# Altium PCB FPGA核心板.PcbDoc (part 1 of 3) (continued)
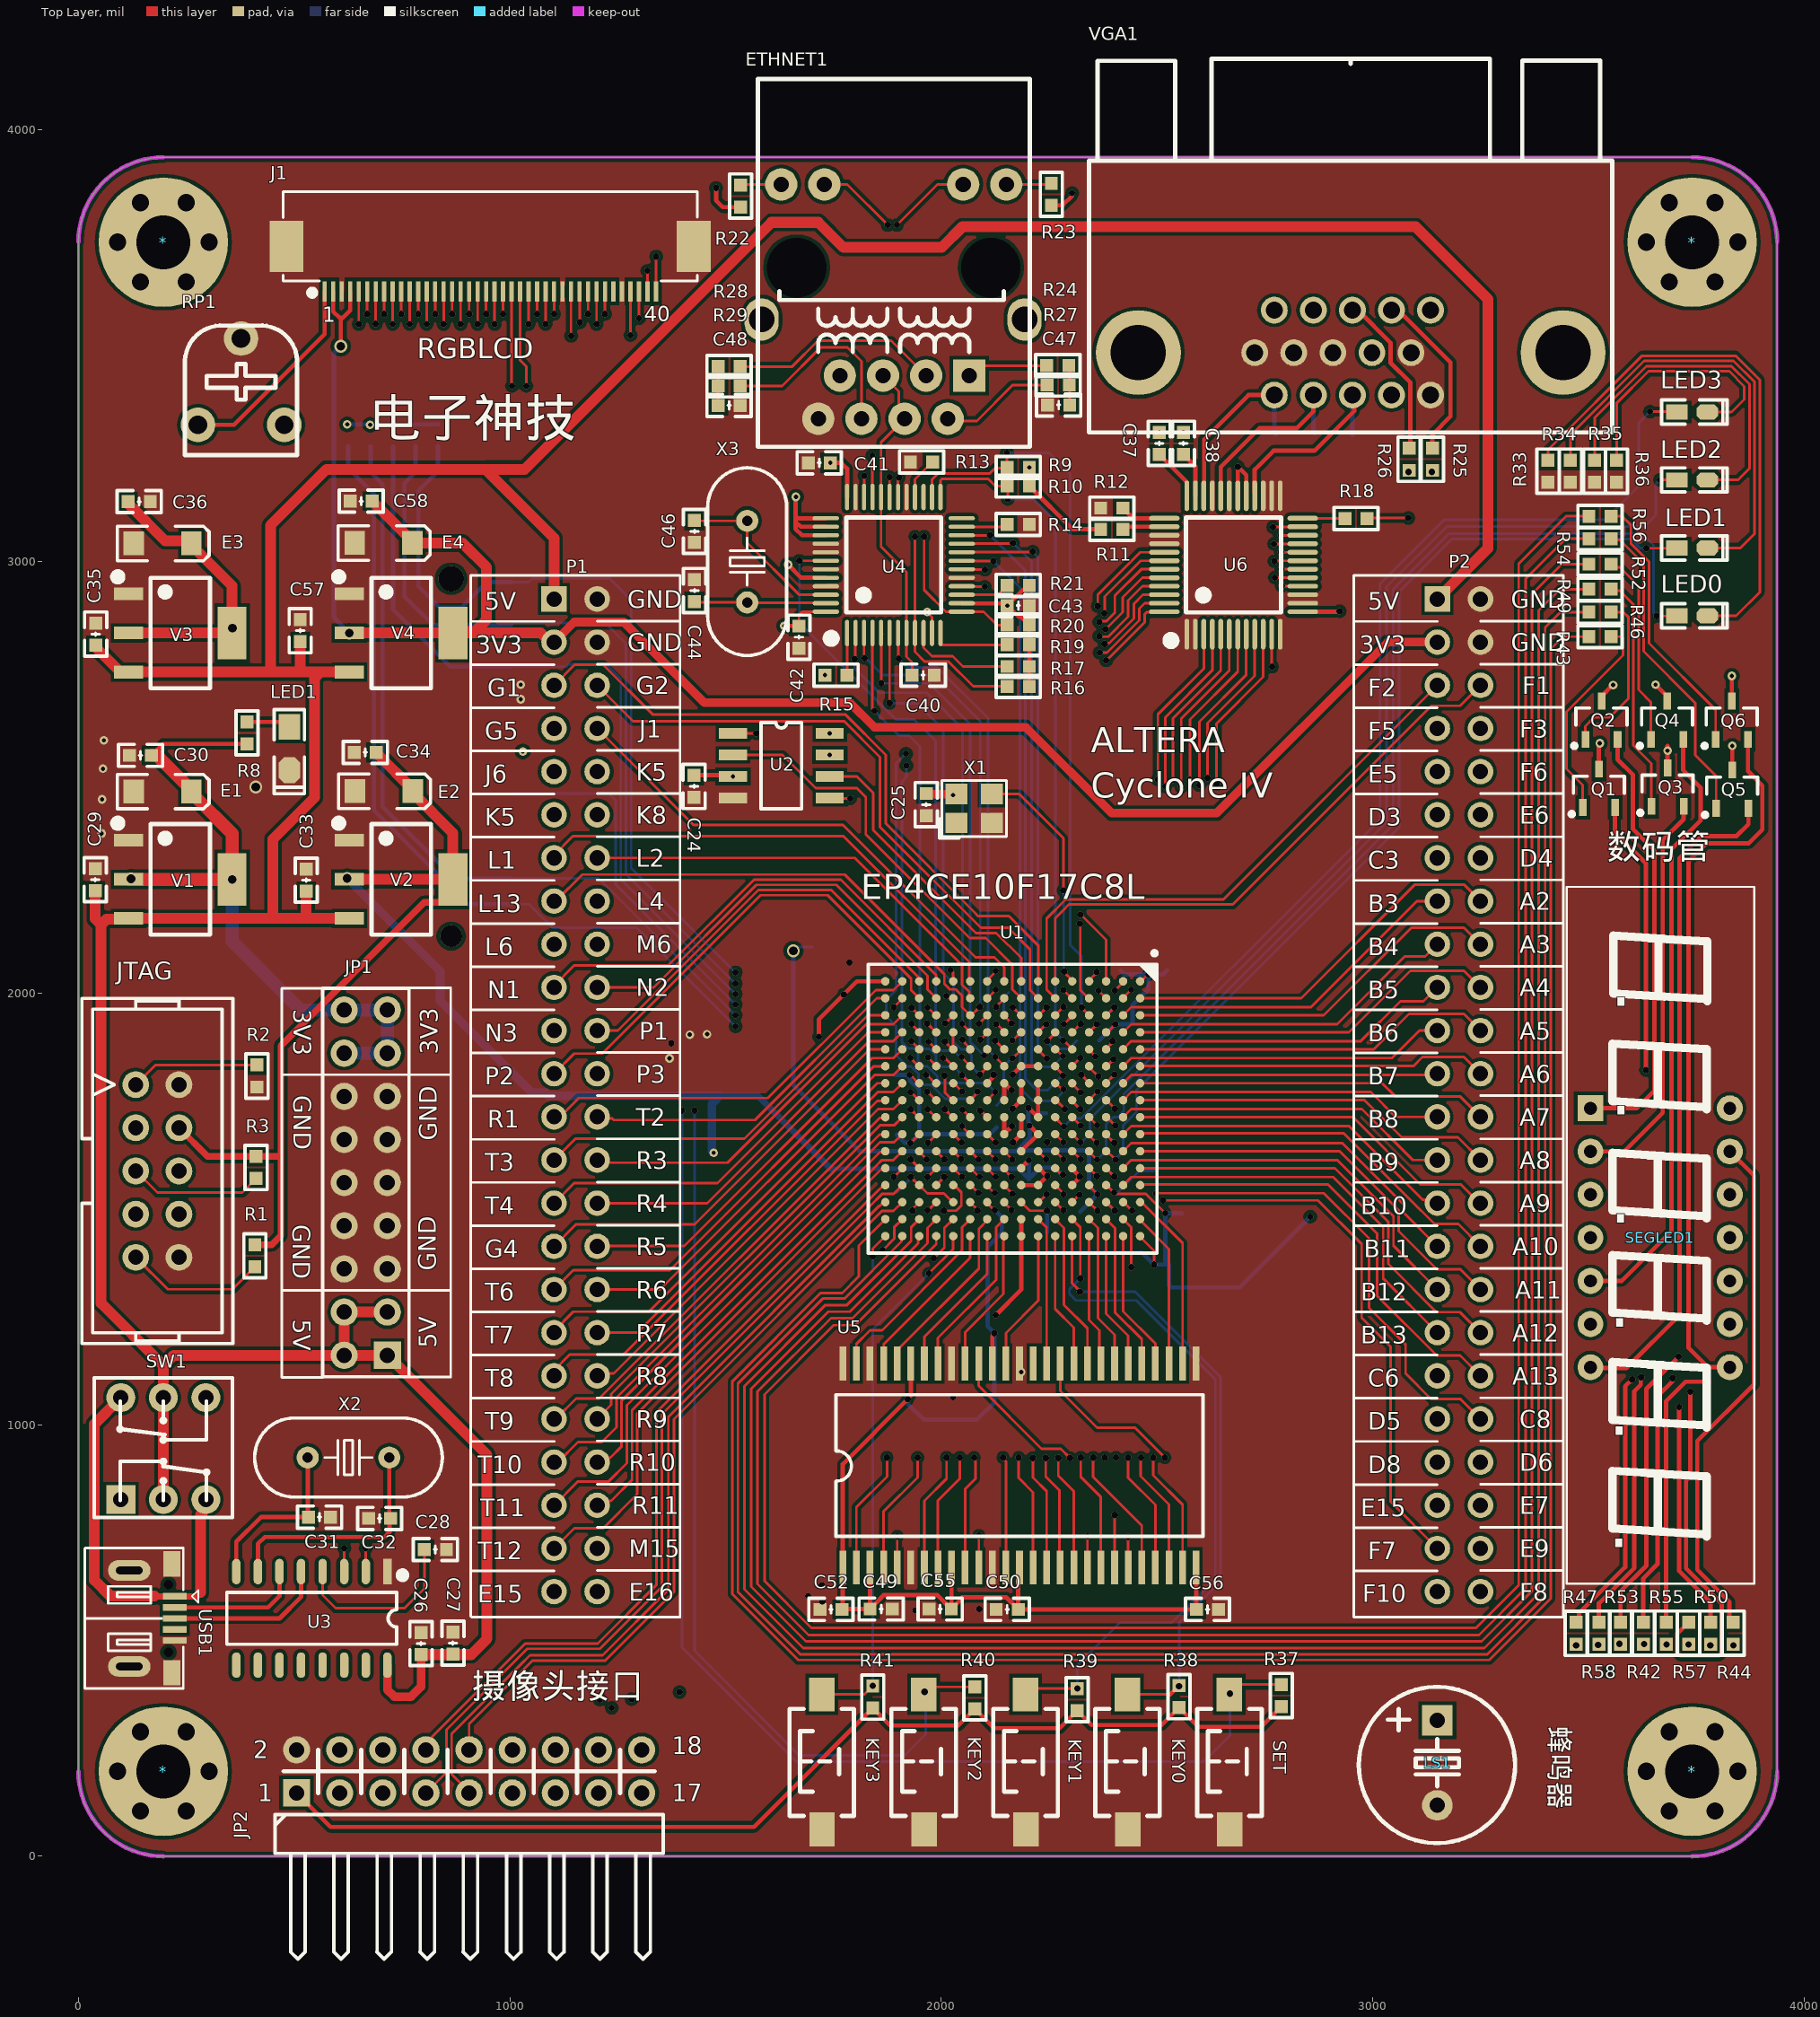
[diagram p0: Top Layer view]
## Footprints (in the part's own frame and the unit in brackets; to place one, negate y for a bottom-side part, rotate by r counter-clockwise, add the part's x,y. Pads: shape width x height; smd on the part's side, far side on the other; paste and mask are expansions set on the pad) (continued)
  silkscreen extent -4.14,-2.63 4.11,4.06, body extent -4,-2.72 4,2.88, height 2.8
VGA15B [mm] "15针通讯接口"
  round 1.58 hole 1: 1(-4.6,0) 2(-2.3,0) 3(0,0) 4(2.3,0) 5(4.6,0) 6(-5.75,2.5) 7(-3.45,2.5) 8(-1.15,2.5) 9(1.15,2.5) 10(3.45,2.5) 11(-4.6,5) 12(-2.3,5) 13(0,5) 14(2.3,5) 15(4.6,5)
  round 5 hole 3.25: 16(-12.6,2.5) 17(12.4,2.5)
  silkscreen extent -15.5,-2.2 15.3,19.8, body extent -15.66,-0.87 15.15,20.23, height 12.77

## Part data
* * * *: "铜柱孔", BOM名称=铜柱孔, 版权归属="封装库来自淘宝 ID：黄晶宝石", 学习资源=https://shop463601444.taobao.com
C1 C2 C3 C4 C6 C7 C8 C10 C11 C12 C13 C14 C15 C16 C19 C20 C21 C22 C23 C24 C25 C26 C27 C28 C29 C30 C31 C32 C33 C34 C35 C36 C37 C38 C39 C40 C41 C42 C43 C44 C45 C46 C47 C48 C49 C50 C52 C53 C54 C55 C56 C57 C58: library part C, "贴片电容", BOM名称=无极性贴片电容, 联系售后=https://shop463601444.taobao.com, 淘宝ID="封装库来自淘宝 ID：黄晶宝石"
E1 E2 E3 E4: library part CT, "贴片钽电容", BOM名称=贴片钽电容, 联系售后=https://shop463601444.taobao.com, 淘宝ID="封装库来自淘宝 ID：黄晶宝石"
ETHNET1: library part HR911105
J1: library part FPC-40, "FPC-40P-0.5mm"
JP1 JP2: "9*2P接插件", BOM名称=9*2P接插件, 版权归属=源创客, 学习资源=www.ooocke.com
KEY0 KEY1 KEY2 KEY3 SET: library part "TSW 3x6", "3x6轻触开关", BOM名称=3x6轻触开关, 版权归属="封装库来自淘宝 ID：黄晶宝石", 学习资源=www.ooocke.com
LED0 LED1 LED1 LED2 LED3: library part LED-SMD, "贴片LED", BOM名称=贴片LED, 版权归属="封装库来自淘宝 ID：黄晶宝石", 学习资源=https://shop463601444.taobao.com
LS1: library part BEEP, "蜂鸣器", BOM名称=蜂鸣器, 版权归属="封装库来自淘宝 ID：黄晶宝石", 联系售后=https://shop463601444.taobao.com
P1 P2: "Header, 24-Pin, Dual row", LatestRevisionDate=17-Jul-2002, LatestRevisionNote="Re-released for DXP Platform.", Publisher="Altium Limited"
Q1 Q2 Q3 Q4 Q5 Q6: library part 8050-SMD, "高频放大-NPN型", BOM名称=高频放大-NPN型, 版权归属="封装库来自淘宝 ID：黄晶宝石", 联系售后=https://shop463601444.taobao.com, 属性="40V 1.5A 1W 100MHZ"
R1 R2 R3 R4 R5 R6 R7 R8 R9 R10 R11 R12 R13 R14 R15 R16 R17 R18 R19 R20 R21 R22 R23 R24 R25 R26 R27 R28 R29 R30 R31 R32 R33 R34 R35 R36 R37 R38 R39 R40 R41 R42 R43 R44 R45 R46 R47 R48 R49 R50 R51 R52 R53 R54 R55 R56 R57 R58 R59 R60: library part R, "贴片电阻", BOM名称=贴片电阻, 版权归属="来自淘宝 ID：黄晶宝石", 联系售后=https://shop463601444.taobao.com
RP1: library part RP, "单联电位器", BOM名称=插件电位器, 版权归属="封装库来自淘宝 ID：黄晶宝石", 联系售后=https://shop463601444.taobao.com
SEGLED1: "6位数码管,0.3寸,共阴,41*11*5.8mm"
SW1: "8*8自锁开关", BOM名称=8*8自锁开关, 版权归属="封装库来自淘宝 ID：黄晶宝石", 学习资源=https://shop463601444.taobao.com
U1: library part EP4CE6F17C8, "Cyclone IV Family FPGA, 2V Core, 179 I/O Pins, 2 PLLs, 256-Pin FBGA, Speed Grade 8, Commercial Grade", Supplier Part Number 1=EP4CE6F17C8-ND, Code_IPC=BGA100P16X16-256, Code_JEDEC=MS-034-AAF-1, ComponentLink1Description="Manufacturer Link", ComponentLink1URL=http://www.altera.com/, ComponentLink2Description=Handbook, ComponentLink2URL=http://www.altera.com/literature/hb/cyclone-iv/cyclone4-handbook.pdf, ComponentLink3Description="Pinout Specification", ComponentLink3URL=http://www.altera.com/literature/lit-dp.jsp?category=cyc%204&showspreadsheet=y, ComponentLink4Description="Packaging Specification", ComponentLink4URL=http://www.altera.com/literature/ds/dspkg.pdf, DatasheetVersion="ver1.2, Mar-2010", PackageDescription="256-Ball FineLine Ball Grid Array (FBGA256) - Option 1 - Wire Bond", PackageReference=FBGA256, PackageVersion="ver16.0, Dec-2009", Published=3-May-2010, Publisher="Altium Limited", Supplier 1=Digi-Key
U2: "16 Mb (x1) Automotive Serial NOR Flash Memory, 75 MHz, 2.7 to 3.6 V, 8-pin SO8", Manufacturer=Micron, Package="SO8 Narrow爭ISHIDDEN=T|", PartNumber=M25P16-VMN3PB, Voltage=2.7V-3.6V爭ISHIDDEN=T|, Applications=Automotive爭ISHIDDEN=T|, ComponentLink1Description="Manufacturer URL", ComponentLink1URL=http://www.micron.com/, ComponentLink2Description=Datasheet, ComponentLink2URL=http://www.micron.com/~/media/Documents/Products/Data%20Sheet/NOR%20Flash/Serial%20NOR/M25P/M25P16.pdf, ComponentLink3Description="Package Specification", ComponentLink3URL=http://www.micron.com/~/media/Documents/Products/Data%20Sheet/NOR%20Flash/Serial%20NOR/M25P/M25P05A.pdf, DatasheetVersion="Rev. Y", Density=16Mb爭ISHIDDEN=T|, Mounting Technology="Surface Mount", PackageDescription="8-Pin SO Narrow, 3.9 X 4.9 mm, Pitch 1.27 mm", PackageReference=MICT-MN-8, PackageVersion="Rev 11", Part Family=M25P爭ISHIDDEN=T|, Part Status=Production爭ISHIDDEN=T|, RoHS=Yes爭ISHIDDEN=T|, Speed="75 MHz爭ISHIDDEN=T|", Type="Data Storage爭ISHIDDEN=T|", Width=x1爭ISHIDDEN=T|
U4: "ETH PHY"
U5: library part IS42S16160B, "32MB SDRAM"
USB1: "微型USB母座", BOM名称=微型USB母座, 学习资源=https://shop463601444.taobao.com
V1 V2 V3 V4: library part AMS1117, "三端稳压芯片", BOM名称=稳压芯片, 欢迎光临淘宝店铺=https://shop463601444.taobao.com, 淘宝ID="封装库来自淘宝 ID：黄晶宝石"
X1: library part XTAL-ACT-4P, "4脚有源晶振", BOM名称=4脚有源晶振, 版权归属=源创客, 学习资源=www.ooocke.com
X2 X3: library part XTAL-2P, "2脚无源脚晶振", BOM名称=2脚无源脚晶振, 版权归属=源创客, 学习资源=www.ooocke.com
U3: ="封装库来自淘宝卖家 ID：黄晶宝石"

## Via types
v1: diameter 15, hole 15, Top Layer to Bottom Layer, tented both sides, 180 vias
v2: diameter 15, hole 15, Top Layer to Bottom Layer, 151 vias
v3: diameter 20, hole 10, Top Layer to Bottom Layer, tented both sides, 34 vias
v4: diameter 30, hole 20, Top Layer to Bottom Layer, tented both sides, 8 vias

## Nets (pads, with @x,y where several pads share a name; then routed paths per layer and width w, separated by ;. In a path a pad name is that pad's centre, name@x,y a point inside that pad or via, vN(x,y) a via of type N, cw(c..) or ccw(c..) an arc to the next point about the centre after c; other vN are vias at no path point)
A2: P2.16 U1.A2 U6.41 | length 2364.9
  Top Layer w6: v1(2362.5,2897) 2362.5,2923.5 2460.65,3021.65 U6.41@2516.72,3021.65 ; U1.A2@2460.63,1988.19 2834.19,1988.19 3097.91,2251.91 3211.08,2251.91 P2.16@3249.61,2213.39
  Layer 2 w6: v1(2362.5,2897) 2413.88,2897 2867,2443.88 2867,2343 2950,2260 3202.99,2260 P2.16@3249.61,2213.39
A3: P2.18 U1.A3 U6.43 | length 2423.6
  Top Layer w6: v1(2366,2860) 2367.72,2861.72 2382.24,2861.72 2402,2881.48 2402,2921 2463.28,2982.28 U6.43@2516.72,2982.28 ; U1.A3@2460.63,1948.82 2886.5,1948.82 3089.59,2151.91 3211.08,2151.91 P2.18@3249.61,2113.39
  Layer 2 w6: v1(2366,2860) 2416.94,2860 2843,2433.94 2843,2234 2914,2163 3199.99,2163 P2.18@3249.61,2113.39
A4: P2.20 U1.A4 U6.45 | length 2467.4
  Top Layer w6: v1(2366.26,2826.99) 2367.25,2826 2386.83,2826 2433,2872.17 2433,2910 2465.91,2942.91 U6.45@2516.72,2942.91 ; U1.A4@2460.63,1909.45 2944.45,1909.45 3086.91,2051.91 3211.08,2051.91 P2.20@3249.61,2013.39
  Layer 2 w6: v1(2366.26,2826.99) 2367.25,2826 2417,2826 2546,2697 2819,2424 2819,2148 2906.73,2060.27 3200.73,2060.27 3247.61,2013.39 P2.20@3249.61,2013.39
A5: P2.22 U1.A5 U6.47 | length 2493.5
  Top Layer w6: v1(2367,2789) 2383.77,2789 2458.9,2864.13 2458.9,2891 2471.44,2903.54 U6.47@2516.72,2903.54 ; U1.A5@2460.63,1870.08 3002.08,1870.08 3083.91,1951.91 3211.08,1951.91 P2.22@3249.61,1913.39
  Layer 2 w6: v1(2367,2789) 2418.06,2789 2419.06,2790 2536.06,2673 2795,2414.06 2795,2080 2910,1965 3197.99,1965 P2.22@3249.61,1913.39
A6: P2.24 U1.A6 U6.3 | length 2571.2
  Top Layer w6: U1.A6@2460.63,1830.71 2460.92,1831 3094.21,1831 3115.12,1851.91 3211.08,1851.91 P2.24@3249.61,1813.39 ; v1(2502,2495.02) 2502,2646 2608.27,2752.27 U6.3@2608.27,2831.68
  Layer 2 w6: v1(2502,2495.02) 2502,2523.09 2491.09,2534 2455.01,2534 2439.09,2518.09 2439.09,2392.79 2743,2088.88 2743,1920 2800,1863 3199.99,1863 P2.24@3249.61,1813.39
A7: P2.26 U1.A7 U6.5 | length 2781.9
  Top Layer w6: U1.A7@2460.63,1791.34 3021.66,1791.34 3052,1761 3201.99,1761 P2.26@3249.61,1713.39 ; v1(2537,2494) 2537,2637 2647.64,2747.64 U6.5@2647.64,2831.68
  Layer 2 w6: v1(2537,2494) 2537,2522.06 2501.06,2558 2445.06,2558 2415.09,2528.03 2415.09,2382.85 2719,2078.94 2719,1835 2793,1761 3201.99,1761 P2.26@3249.61,1713.39
A8: P2.28 U1.A8 U6.7 | length 3008.9
  Top Layer w6: U1.A8@2460.63,1751.97 2981.03,1751.97 3067,1666 3197,1666 P2.28@3249.61,1613.39 ; v1(2576,2495.15) 2576,2634 2687.01,2745.01 U6.7@2687.01,2831.68
  Layer 2 w6: v1(2576,2495.15) 2576,2517.12 2511.12,2582 2435.12,2582 2391.09,2537.97 2391.09,2372.91 2695,2069 2695,1745 2775,1665 3197.99,1665 P2.28@3249.61,1613.39
A9: P2.30 U1.A9 U6.9 | length 3226.5
  Top Layer w6: U1.A9@2460.63,1712.6 2954.4,1712.6 3110,1557 3204,1557 3247.61,1513.39 P2.30@3249.61,1513.39 ; v1(2617,2498.57) 2617,2626 2726.38,2735.38 U6.9@2726.38,2831.68
  Layer 2 w6: v1(2617,2498.57) 2617,2511.09 2522.09,2606 2425.18,2606 2367.09,2547.91 2367.09,2362.96 2671,2059.06 2671,1664 2774,1561 3201.99,1561 P2.30@3249.61,1513.39
A10: P2.32 U1.A10 U6.16 | length 3874
  Top Layer w6: U1.A10@2460.63,1673.23 2462.4,1675 2933,1675 3084,1524 3143,1465 3197.99,1465 P2.32@3249.61,1413.39 ; v1(2789,2944) 2790.09,2942.91 U6.16@2837.61,2942.91
  Layer 2 w6: v1(2789,2944) 2760,2944 2748,2956 2672.79,2956 2591,3037.79 2591,3100 2554,3137 2450,3137 2326,3013 2326,2349.88 2628,2047.88 2628,1499 2662,1465 3197.99,1465 P2.32@3249.61,1413.39
A11: P2.34 U1.A11 U6.18 | length 4073.8
  Top Layer w6: U1.A11@2460.63,1633.86 2923.14,1633.86 3060,1497 3060,1448.51 3148.51,1360 3202.99,1360 P2.34@3249.61,1313.39 ; v1(2788,2982) 2788.28,2982.28 U6.18@2837.61,2982.28
  Layer 2 w6: v1(2788,2982) 2766,2982 2761,2987 2675.73,2987 2615,3047.73 2615,3109.94 2563.94,3161 2440.06,3161 2302,3022.94 2302,2339.94 2604,2037.94 2604,1416 2659,1361 3201.99,1361 P2.34@3249.61,1313.39
A12: P2.36 U1.A12 U6.20 | length 4278.7
  Top Layer w6: U1.A12@2460.63,1594.49 2461.12,1594 2912,1594 3036,1470 3036,1372.51 3147.51,1261 3201.99,1261 P2.36@3249.61,1213.39 ; v1(2787,3022) 2787.35,3021.65 U6.20@2837.61,3021.65
  Layer 2 w6: v1(2787,3022) 2784.56,3022 2780.56,3018 2678.67,3018 2639,3057.67 2639,3119.88 2573.88,3185 2430.12,3185 2278,3032.88 2278,2330 2580,2028 2580,1332 2651,1261 3201.99,1261 P2.36@3249.61,1213.39
A13: P2.38 U1.A13 U6.22 | length 4489
  Top Layer w6: U1.A13@2460.63,1555.12 2462.51,1557 2896,1557 3010,1443 3010,1298.51 3148.02,1160.48 3202.51,1160.48 P2.38@3249.61,1113.39 ; v1@2786,3060 v1(2786.51,3060.51) 2787.02,3061.02 U6.22@2837.61,3061.02
  Layer 2 w6: v1@2786,3060 2766,3060 2751.83,3045.83 2684.79,3045.83 2663,3067.62 2663,3129.82 2583.82,3209 2420.18,3209 2254,3042.82 2254,2320.06 2556,2018.06 2556,1250 2648,1158 3204.99,1158 P2.38@3249.61,1113.39
ACT_LED: ETHNET1.10 R20.2 U4.13 | length 1544
  Top Layer w6: v1(1897,3780) 1991.02,3874.02 ETHNET1.10@2050.59,3874.02 ; v1(1960,3058) 1960,2934.29 2010.44,2883.86 U4.13@2047.23,2883.86 2098.14,2883.86 2129,2853 R20.2@2152.82,2853
  Layer 1 w6: v1(1897,3780) 1897,3688 1667,3458 1667,3261 1831,3097 1938,3097 1960,3075 v1(1960,3058)
B3: P2.15 U1.B3 U6.42 | length 2187.1
  Top Layer w6: v1(2377.59,2880.41) 2379,2881.81 2379,2919 2461.97,3001.97 U6.42@2516.72,3001.97 ; U1.B3@2421.26,1948.82 2440.1,1967.66 2856.66,1967.66 3102.39,2213.39 P2.15@3149.61,2213.39
  Layer 2 w6: v1(2377.59,2880.41) 2379,2879 2414.91,2879 2560.91,2733 2855,2438.91 2855,2286 2927.61,2213.39 P2.15@3149.61,2213.39
B4: P2.17 U1.B4 U6.44 | length 2229.9
  Top Layer w6: v1(2380.49,2843) 2420,2882.51 2420,2917 2466,2963 2516.32,2963 U6.44@2516.72,2962.6 ; U1.B4@2421.26,1909.45 2440.1,1928.29 2917.29,1928.29 3074,2085 3121.22,2085 P2.17@3149.61,2113.39
  Layer 2 w6: v1(2380.49,2843) 2416.97,2843 2550.97,2709 2831,2428.97 2831,2191 2908.61,2113.39 P2.17@3149.61,2113.39
B5: P2.19 U1.B5 U6.46 | length 2274.2
  Top Layer w6: v1(2378.17,2809.5) 2379.89,2811.22 2389.02,2811.22 2446,2868.2 2446,2902 2467.23,2923.23 U6.46@2516.72,2923.23 ; U1.B5@2421.26,1870.08 2440.1,1888.92 2971.92,1888.92 3064,1981 3117.22,1981 P2.19@3149.61,2013.39
  Layer 2 w6: v1(2378.17,2809.5) 2379.67,2808 2418.03,2808 2541.03,2685 2807,2419.03 2807,2112 2905.61,2013.39 P2.19@3149.61,2013.39
B6: P2.21 U1.B6 U6.48 | length 2288.8
  Top Layer w6: v1(2382,2771) 2382.74,2771 2471,2859.26 2471,2878 2475.9,2882.9 2515.76,2882.9 U6.48@2516.72,2883.86 ; U1.B6@2421.26,1830.71 2440.1,1849.55 3044.55,1849.55 3108.39,1913.39 P2.21@3149.61,1913.39
  Layer 2 w6: v1(2382,2771) 2421.09,2771 2531.09,2661 2783,2409.09 2783,2049 2918.61,1913.39 P2.21@3149.61,1913.39
B7: P2.23 U1.B7 U6.4 | length 2509.5
  Top Layer w6: U1.B7@2421.26,1791.34 2440.1,1810.18 3146.4,1810.18 P2.23@3149.61,1813.39 ; v1(2519,2479) 2519,2639 2627.95,2747.95 U6.4@2627.95,2831.68
  Layer 2 w6: v1(2519,2479) 2519,2523.09 2496.09,2546 2450.04,2546 2427.09,2523.06 2427.09,2387.82 2731,2083.91 2731,1873 2790.61,1813.39 P2.23@3149.61,1813.39
B8: P2.25 U1.B8 U6.6 | length 2731.6
  Top Layer w6: U1.B8@2421.26,1751.97 2440.1,1770.81 2995.19,1770.81 3052.61,1713.39 P2.25@3149.61,1713.39 ; v1(2556,2478) 2556,2636 2667.32,2747.32 U6.6@2667.32,2831.68
  Layer 2 w6: v1(2556,2478) 2556,2520.03 2506.03,2570 2440.09,2570 2403.09,2533 2403.09,2377.88 2707,2073.97 2707,1794 2787.61,1713.39 P2.25@3149.61,1713.39
B9: P2.27 U1.B9 U6.8 | length 2951.2
  Top Layer w6: U1.B9@2421.26,1712.6 2440.1,1731.44 2974.56,1731.44 3092.61,1613.39 P2.27@3149.61,1613.39 ; v1(2598,2481.9) 2598,2629 2706.69,2737.69 U6.8@2706.69,2831.68
  Layer 2 w6: v1(2598,2481.9) 2598,2512.09 2516.09,2594 2430.15,2594 2379.09,2542.94 2379.09,2367.94 2683,2064.03 2683,1707 2776.61,1613.39 P2.27@3149.61,1613.39
B10: P2.29 U1.B10 U6.10 | length 3175.5
  Top Layer w6: U1.B10@2421.26,1673.23 2440.1,1692.07 2944.93,1692.07 3115.37,1521.63 3141.36,1521.63 P2.29@3149.61,1513.39 ; v1(2638,2484.95) 2638,2625 2746.06,2733.06 U6.10@2746.06,2831.68
  Layer 2 w6: v1(2638,2484.95) 2638,2507.09 2527.09,2618 2420.21,2618 2355.09,2552.88 2355.09,2357.99 2659,2054.09 2659,1616 2761.61,1513.39 P2.29@3149.61,1513.39
B11: P2.31 U1.B11 U6.17 | length 3827.6
  Top Layer w6: U1.B11@2421.26,1633.86 2440.1,1652.7 2929.3,1652.7 3072,1510 3072,1490.99 P2.31@3149.61,1413.39 ; v1(2773,2963) 2773.2,2962.8 U6.17@2837.41,2962.8 ; 2785,2963 2837.21,2963 U6.17@2837.41,2962.8 ; U6.17@2837.61,2962.6 U6.17@2837.41,2962.8
  Layer 2 w6: v1(2773,2963) 2761,2963 2753,2971 2674.76,2971 2603,3042.76 2603,3104.97 2558.97,3149 2445.03,3149 2314,3017.97 2314,2344.91 2616,2042.91 2616,1458 2660.61,1413.39 P2.31@3149.61,1413.39
B12: P2.33 U1.B12 U6.19 | length 3976.8
  Top Layer w6: U1.B12@2421.26,1594.49 2440.1,1613.33 2917.67,1613.33 3048,1483 3048,1414.99 P2.33@3149.61,1313.39 ; v1(2772,3001) 2772.98,3001.98 U6.19@2837.61,3001.97
  Layer 2 w6: v1@2772,3002 2677.7,3002 2627,3052.7 2627,3114.91 2568.91,3173 2435.09,3173 2290,3027.91 2290,2334.97 2592,2032.97 2592,1375 2653.61,1313.39 P2.33@3149.61,1313.39
B13: P2.35 U1.B13 U6.21 | length 4188.3
  Top Layer w6: U1.B13@2421.26,1555.12 2440.1,1573.96 2908.04,1573.96 3024,1458 3024,1338.99 P2.35@3149.61,1213.39 ; v1(2771,3041) 2837.29,3041.01 U6.21@2837.61,3041.34
  Layer 2 w6: v1(2771,3041) 2768.56,3041 2759.56,3032 2681.64,3032 2651,3062.64 2651,3124.85 2578.85,3197 2425.15,3197 2266,3037.85 2266,2325.03 2568,2023.03 2568,1289 2643.61,1213.39 P2.35@3149.61,1213.39
BEEP: LS1.1 U1.D12 | length 2663.3
  Top Layer w6: U1.D12@2342.52,1594.49 2342.52,1594.23 2360.5,1576.25 v2(2360.5,1576)
  Layer 1 w6: LS1.1@3149.61,314.96 3261.64,427 v1(3546,427)
  Layer 2 w6: v2(2360.5,1576) 2360.5,1574.5 2340,1554 2340,1101.26 2403.26,1038 2596,1038 2777,857 2777,668.4 2953.4,492 3203.4,492 3389.4,306 3451.2,306 3546,400.8 v1(3546,427)
C3: P2.13 U1.C3 U6.11 | length 1668.4
  Top Layer w6: U1.C3@2381.89,1948.82 2382.82,1948.82 v2(2401,1967) ; U6.11@2765.75,2831.68 2765.75,2757.25 v1(2766.37,2756.63) v1@2767,2756
  Layer 1 w6: v2(2401,1967) 2557,1967 2903.39,2313.39 P2.13@3149.61,2313.39
  Layer 2 w6: v1(2766.37,2756.63) 2766.37,2574.63 3027.61,2313.39 P2.13@3149.61,2313.39
C6: P2.37 U1.C6 | length 1353
  Top Layer w6: U1.C6@2381.89,1830.71 2383.3,1830.71 2399,1846.41 v2(2399,1847)
  Layer 1 w6: v2(2399,1847) 2851,1847 3076,1622 3076,1153.78 3114.59,1115.18 3147.81,1115.18 P2.37@3149.61,1113.39
C8: P2.40 U1.C8 U6.23 | length 4933.4
  Top Layer w6: U1.C8@2381.89,1751.97 2381.89,1752.89 2402,1732.78 v2(2402,1732) ; v1(2497,1536) 2497.5,1536.5 2886.5,1536.5 2991,1432 2991,1271 3076,1186 3076,1119 3135,1060 3202.99,1060 P2.40@3249.61,1013.39 ; v1(2769,3080) 2836.91,3080 U6.23@2837.61,3080.71
  Layer 2 w6: v2(2402,1732) 2450,1732 2497,1685 v1(2497,1536) ; v1(2769,3080) 2749,3060 2689,3060 2676,3073 2676,3135.21 2589.21,3222 2414.79,3222 2241,3048.21 2241,2314.67 2543,2012.67 2543,1202 2685,1060 3202.99,1060 P2.40@3249.61,1013.39
CH340_D+: U3.5 USB1.3 | length 372.2
  Top Layer w10: USB1.3@223.11,551.18 466.18,551.18 516,601 U3.5@516,659.69
CH340_D-: U3.6 USB1.2 | length 310.9
  Top Layer w10: USB1.2@223.11,576.68 439.68,576.68 466,603 466,658.69 U3.6@465,659.69
CMOS_D0: JP2.16 U1.K9 | length 1986.4
  Top Layer w6: v2(2090,1728) 2091,1728 2106.3,1712.7 U1.K9@2106.3,1712.6
  Layer 1 w6: JP2.16@1205.51,246.85 1246.66,288 1268.62,288 1369.81,389.19 1547,566.38 1547,1361.38 1871.62,1686 2011,1686 2038.5,1713.5 2075.5,1713.5 v2(2090,1728)
CMOS_D1: JP2.15 U1.P8 | length 2053.4
  Top Layer w6: v2(1928.52,1770.52) 1929.39,1770.52 1947.94,1751.97 U1.P8@1948.82,1751.97
  Layer 1 w6: JP2.15@1205.51,146.85 1148,204.36 1148,328 1462,642 1462,1396.59 1836.41,1771 1928.04,1771 v2(1928.52,1770.52)
CMOS_D2: JP2.14 U1.N8 | length 2019.7
  Top Layer w6: v2(1967,1771.5) 1967.83,1771.5 1987.36,1751.97 U1.N8@1988.19,1751.97
  Layer 1 w6: JP2.14@1105.51,246.85 1105.51,308.51 1442,645 1442,1404.88 1828.12,1791 1947,1791 1966.5,1771.5 v2(1967,1771.5)
CMOS_D3: JP2.13 U1.M8 | length 2293
  Top Layer w6: v2(2007,1809) 2008.72,1807.28 2008.72,1769.3 2026.05,1751.97 U1.M8@2027.56,1751.97
  Layer 1 w6: JP2.13@1105.51,146.85 1095.15,146.85 1054,188 1054,278.45 1402,626.45 1402,1421.45 1807.55,1827 1988,1827 2006,1809 v2(2007,1809)
CMOS_D4: JP2.12 U1.P6 | length 2094.4
  Top Layer w6: v2(1928,1850) 1947.29,1830.71 U1.P6@1948.82,1830.71
  Layer 1 w6: JP2.12@1005.51,246.85 1005.51,256.83 1383,634.32 1383,1429.32 1803.68,1850 v2(1928,1850)
  Bottom Layer w6: JP2.12@1015,225 JP2.12@1022.5,225
CMOS_D5: JP2.11 U1.N6 | length 2315.7
  Top Layer w6: v2(1969,1851) 1988.19,1831.81 U1.N6@1988.19,1830.71
  Layer 1 w6: JP2.11@1005.51,146.85 963,189.36 963,276 1003,316 1034.99,316 1362,643.01 1362,1438.01 1794.99,1871 1949,1871 v2(1969,1851)
CMOS_D6: JP2.10 U1.R14 | length 1798.8
  Top Layer w6: JP2.10@905.51,246.85 905.51,306.51 1052,453 1220,453 1380,613 1380,1012.95 1862.27,1495.22 1888.92,1495.22 U1.R14@1909.45,1515.75
CMOS_D7: JP2.9 U1.T14 | length 1903.5
  Top Layer w6: JP2.9@905.51,146.85 905.51,149.49 865.02,189.98 865.02,284.07 1025.32,444.37 1046.71,465.77 1214.71,465.77 1367.23,618.29 1367.23,1018.23 1856.22,1507.22 1857.85,1507.22 1866.38,1515.75 U1.T14@1870.08,1515.75
CMOS_HREF: JP2.6 U1.M9 | length 2396.6
  Top Layer w6: v2(2008,1731) 2026.4,1712.6 U1.M9@2027.56,1712.6
  Layer 1 w6: v1(1282,364) 1519,601 1519,1372.98 1860.02,1714 1991,1714 v2(2008,1731)
  Layer 2 w6: JP2.6@705.51,246.85 790.64,331.98 1200.64,331.98 1232.67,364 v1(1282,364)
CMOS_PWDN: JP2.18 U1.R12 | length 1652.9
  Top Layer w6: v2(1890,1574) 1909.45,1593.45 U1.R12@1909.45,1594.49
  Layer 1 w6: JP2.18@1305.51,246.85 1574,515.34 1574,1352 1796,1574 v2(1890,1574)
CMOS_RESET: JP2.17 U1.L9 | length 2202.5
  Top Layer w6: v2(2049,1730) 2066.4,1712.6 U1.L9@2066.93,1712.6
  Layer 1 w6: JP2.17@1305.51,146.85 1305.51,149.49 1263,192 1193,192 1163,222 1163,269 1198,304 1262,304 1533,575 1533,1367.18 1865.82,1700 2002,1700 2032,1730 v2(2049,1730)
CMOS_SCL: JP2.3 U1.N9 | length 2544.3
  Top Layer w6: v2(1968,1731) 1986.4,1712.6 U1.N9@1988.19,1712.6
  Layer 1 w6: v1(1208,363) 1210,363 1481,634 1481,1388.72 1844.28,1752 1947,1752 v2(1968,1731)
  Layer 2 w6: JP2.3@605.51,146.85 612.88,146.85 654.51,188.49 654,189 654,252.61 764.39,363 v1(1208,363)
CMOS_SDA: JP2.4 U1.L10 | length 2541.1
  Top Layer w6: v2@2049,1690 2065.77,1673.23 U1.L10@2066.93,1673.23
  Layer 1 w6: v1(1393.5,380.5) 1560,547 1560,1356 1877,1673 2029,1673 v2(2048,1692)
  Layer 2 w6: JP2.4@605.51,246.85 740.66,382 1392,382 v1(1393.5,380.5)
CMOS_VSYNC: JP2.5 U1.P9 | length 2396.1
  Top Layer w6: v2(1929,1731) 1947.4,1712.6 U1.P9@1948.82,1712.6
  Layer 1 w6: v1(1236,344) 1502,610 1502,1380.02 1852.98,1731 v2(1929,1731)
  Layer 2 w6: JP2.5@705.51,146.85 752,193.34 752,258 813.98,319.98 1211.98,319.98 v1(1236,344)
COMS_PCLK: JP2.7 U1.R13 | length 1979.6
  Top Layer w6: JP2.7@805.51,146.85 853.02,194.35 853.02,293.39 1040.47,480.84 1208.47,480.84 1352.16,624.53 1352.16,1024.48 1834.88,1507.2 1862.27,1534.59 1888.92,1534.59 U1.R13@1909.45,1555.12
COMS_XCLK: JP2.8 U1.T13 | length 1850.1
  Top Layer w6: JP2.8@805.51,246.85 805.51,262.27 820.15,276.91 820.15,277.49 910.62,367.96 1035.5,492.84 1203.5,492.84 1340.16,629.5 1340.16,1029.45 1857.3,1546.59 1857.85,1546.59 1866.38,1555.12 U1.T13@1870.08,1555.12
D3: P2.11 R9.1 U1.D3 U4.26 | length 2754
  Top Layer w6: U4.26@1978.35,3149.59 1978.35,3190 1992.35,3204 2112,3204 2125,3217 2151.82,3217 R9.1@2152.82,3218 2152,3218.82 v1(2152,3252) ; v2(2325,1967) 2325,1966 2342.18,1948.82 U1.D3@2342.52,1948.82
  Layer 1 w6: v2(2325,1967) 2325,2042 2696.39,2413.39 P2.11@3149.61,2413.39
  Bottom Layer w6: v1(2152,3252) 2250,3252 2299,3203 2299,2111 2325,2085 v2(2325,1967)